# Altium PCB FLoRa0.0.PcbDoc (part 1 of 2) (continued)
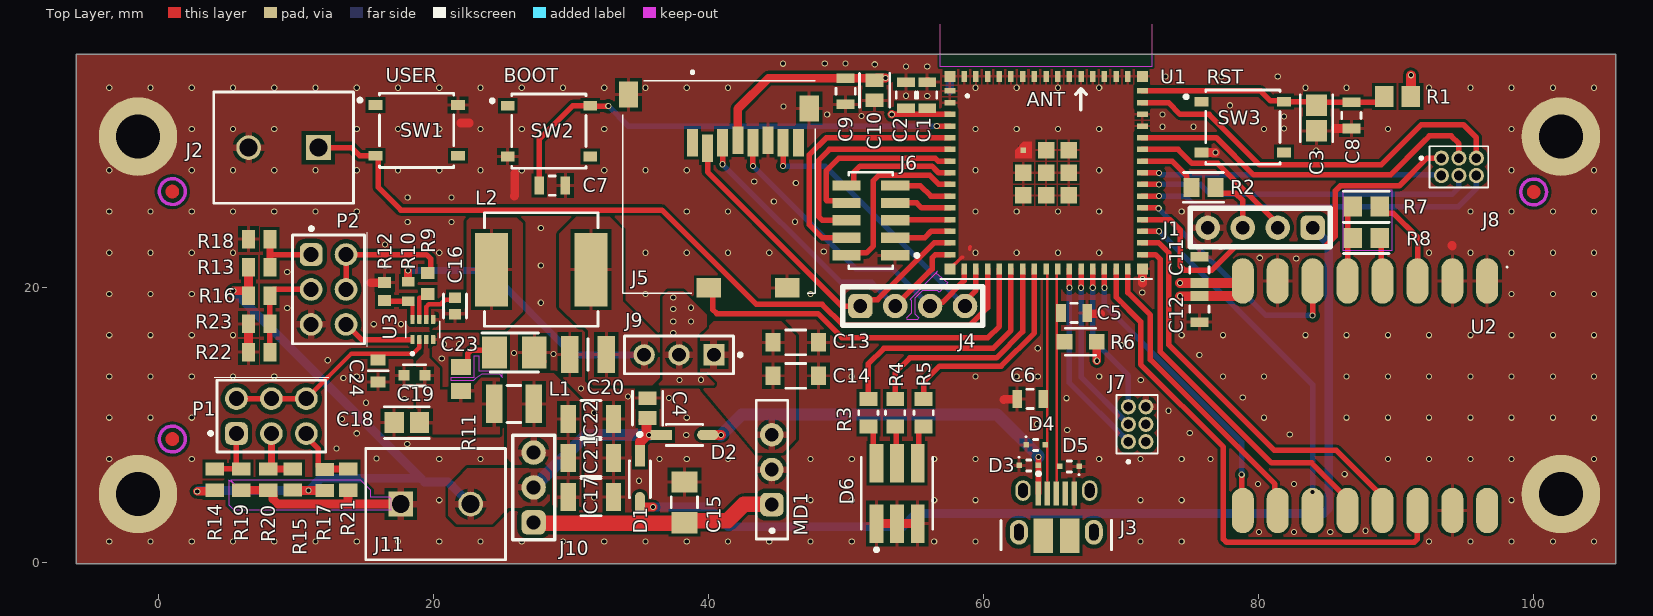
[diagram p0: Top Layer view]
## Footprints (in the part's own frame and the unit in brackets; to place one, negate y for a bottom-side part, rotate by r counter-clockwise, add the part's x,y. Pads: shape width x height; smd on the part's side, far side on the other; paste and mask are expansions set on the pad) (continued)
RESC2013X70X40NL20T20 [mm] "Chip Resistor, 2-Leads, Body 2.00x1.25mm, IPC Medium Density"
  rect 1.15x1.45 smd: 1(-0.875,0) 2(0.875,0)
  body extent -1.1,-0.72 1.1,0.72, height 0.7
SIP3-100mil [mil]
  rrect50% 70x70 hole 39.37: 1(0,0)
  round 70 hole 39.37: 2(0,-100) 3(0,-200)
  silkscreen extent -60,-250 60,50
SIP4-100mil [mil]
  rrect50% 70x70 hole 39.37: 1(0,0)
  round 70 hole 39.37: 2(0,-100) 3(0,-200) 4(0,-300)
  silkscreen extent -55,-350 55,50, body extent -50,-365 50,55, height 335
SOFL50P160X60-8S [mm] "SOFL50P160X60-8N with solder mask silver mods"
  rrect25% 0.66x0.32 smd mask+0: 1(-0.735,0.75) 2(-0.735,0.25) 3(-0.735,-0.25) 4(-0.735,-0.75) 5(0.735,-0.75) 6(0.735,-0.25) 7(0.735,0.25) 8(0.735,0.75)
  silkscreen extent -1.85,-1.23 0.6,1.23
WAVE-20855-Core1262 [mm] "Chip Array, Flat, 16-Leads, Pitch 2.54mm,  Body 22.00x19.00mm,  IPC Medium Density"
  oval 3.3x1.6 smd: 3V3(-8.35,-8.89) ANT(8.35,8.89) BUSY(8.35,-8.89) CLK(8.35,1.27) DIO1(-8.35,-3.81) DIO2(-8.35,-1.27) GND(-8.35,6.35) GND(-8.35,8.89) GND(-8.35,-6.35) GND(8.35,6.35) MISO(8.35,-3.81) MOSI(8.35,-1.27) NSS(8.35,3.81) RESET(8.35,-6.35) RXEN(-8.35,3.81) TXEN(-8.35,1.27)
  silkscreen extent -9.41,10.28 -9.31,10.38, body extent -9.53,-10.97 9.48,11.03, height 2.8
WE-PMCI_1210_L3.2W2.5H1.2 [mm] "Power Molded Chip Inductor, body 3.2x2.5mm"
  rect 1.2x2.8 smd: 1(-1.45,0) 2(1.45,0)
  silkscreen extent -0.5,-1.35 0.5,1.35, body extent -1.6,-1.25 1.6,1.25, height 1.2
WL-SFTW_5050_150505M173300 [mm] "SMT Full-color TOP LED Waterclear, body 5x5mm"
  rect 2.8x1 smd: 1(-2.2,1.5) 2(2.2,1.5) 3(-2.2,0) 4(2.2,0) 5(-2.2,-1.5) 6(2.2,-1.5)
  silkscreen extent -4.22,-2.6 2.6,2.6, body extent -2.7,-2.5 2.7,2.5, height 1.5
XCVR_ESP32-S3-MINI-1-N8 [mm]
  rect 0.8x0.4 smd: 1(-7,5.95) 2(-7,5.1) 3(-7,4.25) 4(-7,3.4) 5(-7,2.55) 6(-7,1.7) 7(-7,0.85) 8(-7,0) 9(-7,-0.85) 10(-7,-1.7) 11(-7,-2.55) 12(-7,-3.4) 13(-7,-4.25) 14(-7,-5.1) 15(-7,-5.95) 31(7,-5.95) 32(7,-5.1) 33(7,-4.25) 34(7,-3.4) 35(7,-2.55) 36(7,-1.7) 37(7,-0.85) 38(7,0) 39(7,0.85) 40(7,1.7) 41(7,2.55) 42(7,3.4) 43(7,4.25) 44(7,5.1) 45(7,5.95)
  rect 0.4x0.8 smd: 16(-5.95,-7) 17(-5.1,-7) 18(-4.25,-7) 19(-3.4,-7) 20(-2.55,-7) 21(-1.7,-7) 22(-0.85,-7) 23(0,-7) 24(0.85,-7) 25(1.7,-7) 26(2.55,-7) 27(3.4,-7) 28(4.25,-7) 29(5.1,-7) 30(5.95,-7) 46(5.95,7) 47(5.1,7) 48(4.25,7) 49(3.4,7) 50(2.55,7) 51(1.7,7) 52(0.85,7) 53(0,7) 54(-0.85,7) 55(-1.7,7) 56(-2.55,7) 57(-3.4,7) 58(-4.25,7) 59(-5.1,7) 60(-5.95,7)
  rect 1.2x1.2 smd: 61(0,0) 61_2(0,1.65) 61_3(1.65,1.65) 61_4(1.65,0) 61_5(1.65,-1.65) 61_6(0,-1.65) 61_7(-1.65,-1.65) 61_8(-1.65,0)
  rect 0.4x0.4 smd paste-1 mask+0: 61_1(-1.65,1.65)
  rect 0.8x0.8 smd: 62(-7,7) 63(-7,-7) 64(7,-7) 65(7,7)
  Top Layer region: -1.05,1.05 -2.25,1.05 -2.25,1.65 -1.65,2.25 -1.05,2.25
  Keep-Out Layer region: 7.7,7.725 -7.7,7.725 -7.7,12.775 7.7,12.775
  Keep-Out Layer region: 7.7,7.725 -7.7,7.725 -7.7,12.775 7.7,12.775
  silkscreen extent -7.7,-7.73 7.7,6.1, body extent -7.7,-7.73 7.7,12.78, height 2.55

## Part data
C1 C5 C6 C7 C8 C9 C12: library part CMP-2007-03364-2, "Ceramic Capacitor for Automotive 100nF ±10% 100VDC X7R 0805 Embossed T/R", Capacitance=100nF, Case Code (Imperial)=0805, Case Code (Metric)=2012, Dielectric=X7R, Max Operating Temperature=125°C, Min Operating Temperature=-55°C, Package Quantity=1, Ratings=AEC-Q200, Tolerance=10%, Voltage=100V, Case/Package=0805, Depth=1.25mm, Height=1.25mm, Lead Free="Lead Free", Length=2mm, Mount="Surface Mount", Packaging="Tape and Reel", Radiation Hardening=No, REACH SVHC="No SVHC", Termination=SMD/SMT, Thickness=0.055inch, Voltage Rating=100V, Voltage Rating (DC)=100V, Width=0.049inch
C2 C11: library part CMP-2007-03385-2, "Chip Multilayer Ceramic Capacitors for General Purpose, 0805, 22uF, X5R, 15%, 20%, 6.3V", Case Code (Imperial)=0805, Case Code (Metric)=2012, Dielectric=X5R, Max Operating Temperature=85°C, Min Operating Temperature=-55°C, Package Quantity=1, Tolerance=20%, Voltage=6.3V, Capacitance=22uF, Case/Package=0805, Depth=1.25mm, Height=1.25mm, Lead Free="Lead Free", Length=2mm, Material=Ceramic, Mount="Surface Mount", Packaging="Tape and Reel", Radiation Hardening=No, REACH SVHC="No SVHC", Termination=SMD/SMT, Thickness=0.053inch, Voltage Rating=6.3V, Voltage Rating (DC)=6.3V, Width=0.049inch
C3: library part CMP-2007-00069-2, "Cap Ceramic Multilayer 1uF 16VDC 10% SMD Paper T/R", Case Code (Imperial)=0805, Case Code (Metric)=2012, Dielectric=X7R, Max Operating Temperature=125°C, Min Operating Temperature=-55°C, Package Quantity=1, Ratings=AEC-Q200, Tolerance=10%, Voltage Rating=16V, Capacitance=1uF, Case/Package=0805, Depth=1.25mm, Features="Soft Termination", Height=0.85mm, Lead Free="Lead Free", Length=2mm, Mount="Surface Mount", Packaging="Tape and Reel", Radiation Hardening=No, Termination=SMD/SMT, Thickness=0.037inch, Voltage Rating (DC)=16V, Width=1.25mm
C4 C10: library part CMP-2007-03541-2, "Chip Multilayer Ceramic Capacitors for General Purpose, 0805, 10uF, X5R, 15%, 10%, 25V", Case Code (Imperial)=0805, Case Code (Metric)=2012, Dielectric=X5R, Max Operating Temperature=85°C, Min Operating Temperature=-55°C, Package Quantity=1, Tolerance=10%, Voltage=25V, Capacitance=10uF, Case/Package=0805, Depth=1.25mm, Height=1.25mm, Lead Free="Lead Free", Length=2mm, Material=Ceramic, Mount="Surface Mount", Packaging="Tape and Reel", Radiation Hardening=No, Termination=SMD/SMT, Thickness=0.053inch, Voltage Rating=25V, Voltage Rating (DC)=25V, Width=0.049inch
C13 C14: library part CMP-2000-05397-3, "Multilayer Ceramic Capacitors 47uF ±20% 25V X5R SMD 1206", Capacitance=47uF, Case Code (Imperial)=1206, Case Code (Metric)=3216, Dielectric=X5R, Dielectric Material=Ceramic, Max Operating Temperature=85°C, Min Operating Temperature=-55°C, Package Quantity=1, Tolerance=20%, Voltage=25V, Case/Package=1206, Depth=1.6mm, Height=1.6mm, Lead Free="Lead Free", Length=0.126inch, Mount="Surface Mount", Packaging="Tape and Reel", REACH SVHC="No SVHC", Resistor Type=Ceramic, RoHS Compliant=Yes, Series=C, Termination=SMD/SMT, Thickness=0.071inch, Voltage Rating=25V, Voltage Rating (DC)=25V, Weight=0.000571oz, Width=0.063inch
C15: library part CMP-06035-000076-2, "Multi-Layer Ceramic Capacitor 10uF 50V X5R ±10% 1206 Emboss T/R", Capacitance=10uF, Case Code (Imperial)=1206, Case Code (Metric)=3216, Dielectric=X5R, Max Operating Temperature=85°C, Min Operating Temperature=-55°C, Ratings=AEC-Q200, Tolerance=10%, Voltage Rating=50V, Case/Package=1206, Length=0.126inch, Mount="Surface Mount", Packaging="Cut Tape", Thickness=0.071inch, Voltage Rating (DC)=50V, Width=0.063inch
C16: library part CMP-2006-03071-2, "CAP CER 0.1UF 16V Y5V 0603", Capacitance=100nF, Case Code (Imperial)=0603, Case Code (Metric)=1608, Dielectric=Y5V, Dielectric Material=Ceramic, Max Operating Temperature=85°C, Min Operating Temperature=-30°C, Package Quantity=4000, Tolerance=80%, Voltage Rating=16V, Case/Package=0603, Construction=Flat, Depth=0.8mm, Height=0.8mm, Lead Free="Lead Free", Lead Pitch=0.7mm, Length=1.6mm, Mount="Surface Mount", Number of Pins=2, Packaging="Tape and Reel", Radiation Hardening=No, REACH SVHC="No SVHC", RoHS Compliant=Yes, Series=C, Termination=SMD/SMT, Thickness=0.034inch, Voltage Rating (DC)=16V, Width=0.031inch
C17 C21 C22: library part CMP-2000-05458-2, "CAP CER 22UF 25V X5R 1210", Manufacturer="Murata Electronics North America", Manufacturer Part Number=GRM32ER61E226KE15L, Operating Temperature="-55°C ~ 85°C", Package=GRM32, Package / Case="1210 (3225 Metric)", Standard Package=1,000, Temperature="-55°C to +85°C", Temperature Characteristic=X5R, Temperature Range High=+85°C, Temperature Range Low=-55°C, Tolerance=10%, Voltage - Rated=25V, Applications="General Purpose", Automotive=No, Capacitance=22uF, Category=Cap, ComponentLink2Description=Datasheet, ComponentLink2URL=https://search.murata.co.jp/Ceramy/image/img/A01X/G101/ENG/GRM32ER61E226KE15-01A.pdf, Device Class L1="Passive Components", Device Class L2=Capacitors, Device Class L3="Ceramic Capacitors", Digikey Description="CAP CER 22UF 25V X5R 1210", Height=2.7mm, Lead Free=Yes, Material=Ceramic, Mounting Type="Surface Mount, MLCC", Mouser Description="Multilayer Ceramic Capacitors MLCC - SMD/SMT 1210 22uF 25volts X5R 10%", Octopart=https://octopart.com/grm32er61e226ke15l-murata-197441, Other Names=490-3889-2, Packaging="Cut Tape (CT)", Possible Substitute=GRM32ER61E226KE15K, RoHS=TRUE, Size / Dimension="0.126\" L x 0.098\" W (3.20mm x 2.50mm)", Temperature Coefficient=X5R, Thickness (Max)="0.106\" (2.70mm)", Voltage Rating=25V
C18: library part CMP-06035-013048-1, "Chip Multilayer Ceramic Capacitors for General Purpose, 0805, 10uF, X5R, 15%, 20%, 25V", Case Code (Imperial)=0805, Case Code (Metric)=2012, Dielectric=X5R, Max Operating Temperature=85°C, Min Operating Temperature=-55°C, Package Quantity=3000, Resistor Type=Ceramic, Tolerance=20%, Voltage Rating=25V, Capacitance=10uF, Case/Package=0805, Depth=1.25mm, Height=1.25mm, Lead Free="Lead Free", Length=2mm, Mount="Surface Mount", Packaging="Tape and Reel", REACH SVHC="No SVHC", Termination=SMD/SMT, Thickness=0.055inch, Voltage Rating (DC)=25V, Weight=0.000335oz, Width=0.049inch
C19: library part CMP-2006-04157-2, "General Purpose Ceramic Capacitor, 0603, 100nF, 10%, X7R, 15%, 25V", Case Code (Imperial)=0603, Case Code (Metric)=1608, Dielectric=X7R, Max Operating Temperature=125°C, Min Operating Temperature=-55°C, Package Quantity=4000, Tolerance=10%, Voltage=25V, Capacitance=100nF, Case/Package=0603, Construction=Flat, Contact Plating=Tin, Depth=0.81mm, Height=0.9mm, Lead Free="Lead Free", Length=1.6mm, Mount="Surface Mount", Number of Pins=2, Packaging="Tape and Reel", Radiation Hardening=No, REACH SVHC="No SVHC", RoHS Compliant=Yes, Series=-, Termination=SMD/SMT, Thickness=0.035inch, Voltage Rating=25V, Voltage Rating (DC)=25V, Width=0.032inch
C20: library part GRM32EC80J107ME20L, "Cout - Murata 1210 GRM 100uF Ceramic Multilayer Capacitor, 6.3 V dc, +105C, X6S Dielectric, +/-20% SMD", Manufacturer_Name="Murata Electronics", Mouser Part Number=81-GRM32EC80J107ME0L, Datasheet Link=http://psearch.en.murata.com/capacitor/product/GRM32ER71E226KE15%23.pdf, Geometry.Height=2.7mm, Manufacturer_Part_Number=GRM32EC80J107ME20L, Mouser Price/Stock=https://www.mouser.co.uk/ProductDetail/Murata-Electronics/GRM32EC80J107ME20L?qs=eCxWOFGThBZyUCwIudAIww%3D%3D
C23: library part TPSB475K035R0700, "Cap Tant Solid 4.7uF 35V B CASE 10% (3.5 X 2.8 X 1.9mm) Inward L SMD 3528-21 0.7 Ohm 125C T/R", Manufacturer_Name="Kyocera AVX", Mouser Part Number=581-TPSB475K035R0700, Datasheet Link=http://datasheets.avx.com/TPS.pdf, Geometry.Height=1.2mm, Manufacturer_Part_Number=TPSB475K035R0700, Mouser Price/Stock=https://www.mouser.co.uk/ProductDetail/AVX/TPSB475K035R0700?qs=vV7MX5mTKGOnhbxp1nxMNw%3D%3D
C24: library part CMP-05434-000008-1, "CAP FILM 820PF 5% 50VDC 0805", Capacitance=820pF, Case Code (Imperial)=0805, Case Code (Metric)=2012, Dielectric=PPS, Dielectric Material=Polyphenylene, Max Operating Temperature=125°C, Min Operating Temperature=-55°C, Package Quantity=3000, Tolerance=5%, Voltage=50V, Case/Package=0805, Construction=Flat, Contact Plating=Copper, Depth=1.25mm, Height=0.9mm, Height - Seated (Max)=0.043inch, Length=2mm, Life (Hours)=500Hour, Mount="Surface Mount", Packaging="Tape and Reel", Radiation Hardening=No, REACH SVHC="No SVHC", RoHS Compliant=Yes, Series=ECHU(X), Termination=SMD/SMT, Voltage Rating=50V, Voltage Rating (DC)=50V, Width=1.25mm
D1 D2: library part CMP-0303-00003-3, "DIODE SCHOTTKY 40V 1A SOD123", Average Rectified Current=1A, Capacitance=110pF, Case/Package=SOD-123-2, Forward Voltage=450mV, Max Forward Surge Current (Ifsm)=25A, Max Operating Temperature=125°C, Max Power Dissipation=450mW, Max Repetitive Reverse Voltage (Vrrm)=40V, Min Operating Temperature=-65°C, Package Quantity=3000, Peak Reverse Current=50uA, Contact Plating=Tin, Current Rating=1A, Element Configuration=Single, Forward Current=1A, Height=1.25mm, Lead Free="Lead Free", Length=2.85mm, Max Reverse Voltage (DC)=40V, Number of Pins=2, Output Current=1A, Packaging="Tape and Reel", Peak Non-Repetitive Surge Current=25A, Polarity=Standard, Radiation Hardening=No, REACH SVHC="No SVHC", Termination=SMD/SMT, Voltage Rating (DC)=40V, Weight=0.000353oz, Width=1.7mm
D3 D4 D5: library part CMP-1063-00096-1, "Transient Voltage Suppressor, Micro-Packaged Diode for ESD Protection, 2-Pin SOD-523, Pb-Free, Tape and Reel", Manufacturer="On Semiconductor", ComponentLink1Description="Manufacturer URL", ComponentLink1URL=http://www.onsemi.com/, ComponentLink2Description=Datasheet, ComponentLink2URL=http://www.onsemi.cn/pub_link/Collateral/ESD5B5.0ST1G.PDF, ComponentLink3Description="Package Specification", ComponentLink3URL=http://www.onsemi.cn/pub_link/Collateral/ESD5B5.0ST1G.PDF, DatasheetVersion="Rev. 3", Direction=Bidirectional, IR Max (uA)=1, Mounting Technology="Surface Mount", Number of Lines=1, PackageDescription="2-Pin SOD, Body 1.2 x 0.8 mm", PackageReference=SOD-523-2-502-01_C, PackageVersion="Rev. C, 03/2007", Packing="Tape and Reel", PartNumber=ESD5B5.0ST1G, RoHS=Pb-Free, V(BR) Min (V)=5.8, VRWM Max (V)=5
D6: library part 150505M173300, "WL-SFTW Full-color TOP LED Waterclear, size 5050, Red & Green & Blue, 120°", Case/Size Code=5050, Emitting Color="Red & Green & Blue", Forward Voltage (Blue)=3.2V, Forward Voltage (Red)=2V, Manufacturer="Wurth Elektronik", Operating Temperature Max=85°C, Operating Temperature Min=-40°C, Category="Signal LEDs", Chip Technology="AlInGaP + InGaN", ComponentLink1Description="Website Link", ComponentLink1URL=https://www.we-online.com/redexpert/article/150505M173300?ad, ComponentLink2Description="Datasheet Link", ComponentLink2URL=https://www.we-online.com/redexpert/spec/150505M173300?ad, Dominant Wavelength (Blue)=470nm, Dominant Wavelength (Green)=520nm, Dominant Wavelength (Red)=625nm, Forward Voltage (Green)=3.2V, Height=1.5mm, Length=5.4mm, Luminous Intensity (Blue)=350mcd, Luminous Intensity (Green)=1300mcd, Luminous Intensity (Red)=800mcd, Manufacturer Part Number=150505M173300, Match Code=WL-SFTW, Mount="Surface Mount", Packaging="Tape and Reel", Peak Wavelength (Blue)=465nm, Peak Wavelength (Green)=515nm, Peak Wavelength (Red)=635nm, Viewing Angle=120°, Width=5mm
J1 J4: library part 4POS_FEMALECONN_2.54mm, "Board Connector, 4 Contact(s), 1 Row(s), Female, Straight, 0.1 inch Pitch, Solder Terminal, Locking", Manufacturer=Sullins, Supplier Part Number 1=S7002-ND, Component Type=Connectors, Connector Type="BOARD CONNECTOR", Manufacturer Part Number=PPTC041LFBN-RC, Mounting Technology=Board, RoHS Compliant=Yes, Supplier 1=Digikey
J2 J11: library part CMP-2000-05815-1, "PCB Terminal Block, 13.5 A, 400 V, 2-Pin THD, RoHS, Bulk", Current Rating=13500mA, Manufacturer="Phoenix Contact", Package Description="2-Pin Through Hole Device, Body 8.1 x 10.16 mm, Pitch 5.08 mm", Package Reference=1729128-2, Package Version=03/2015, Voltage Rating=400V, Datasheet URL=https://datasheet.ciiva.com/16046/1729128-16046181.pdf, Datasheet Version=12/2013, Manufacturer URL=http://www.phoenixcontact.com/, Mounting Technology=ThroughHole, No. of Positions=2, No. of Rows=1, Orientation=Horizontal, Package URL=https://www.phoenixcontact.com/online/portal/pi/pxc/product_detail_page/!ut/p/b1/3VdJjqNKFDxLH8AFycySyWY2ozFsEPOMMQaDOX1XedGL_1Vdm5YXJleknhSKeBkvI6EA8ncAo3AYoDhBQGco6KN7VURTdemj9us_IEKEZo_YHiPAEWEFmDGOHMORkqKYCORBZxgL7ZoaZYcbFFUZ3fqxSY6GOuxydWUuHqz1ynmMFygu583Bob0Ewr6Sd_l-5m-kAueHiB0jpRwZwe58wwtkpxtMYd_LmGcDRU02dRNEyWt6Y2ti5pSyJ_reIkzIulrqApdnbT11V5jnCKbYNCvhEM1MCpPByat_X379-iThf08CI5GfOPqfBeS3BRoBOdD55AKVv0iLwCMq-2BrzXWSGRH7pUGD9uwXQjiph3xL0DKQwdGa0JImiIOmBNOestqgwTHSSs2oOep-78apyXQBvNi8ZLaFjvjWvcaUEBu0MC6Wbe-d6mB0FAebo2lUWinqYaZs5DAYzV0RP9yitUjnGJ0iI9xhZkT42OCQNUJJhkgWINNQLP2JFP6OpMg3JCVg70jqHT0lvKOnhHf0lPuOnnLf0VPuWx6_dxwUIvwk5WMkT0kLL1mh61l2yZVSzG3pYV_bqo-mj6uMKwKwdnnW8Jh5RTOJzMOA5c-eJDaZQw4mTMPH02PvS_ZAqNVjVTo2WyYLkwH_KU1mmmG5kjRhDqPXLwwVHvVOjCM60-fpXvTDfMGW1PVFVS1r4e4yVDk4ZdNbkUHvqPqQSeian4UD39fNKmachqdJ1NJbyk8rXT9mXTvPk3oE5meulKGgiruPJek-4I9hTT6G8ZLOyRSm2RRVbThERQad5OS28hdt4YW4vG0stgYYzsWsK4_7y6DZMjJSCqri1kyiZR5vD7pwIrNR7QwPHTcLTI5qT7eRlpHrdGiupYlqQDJ7zy_CND8fWWBoLRXxk1RVcXiBQwbTD4Xi7KL-FuO94t9xaqweXzH, Packing=Bulk, PartNumber=1729128, Pitch=5.08mm, RoHS=TRUE
J3: library part MICRO_USB2.0, "Micro USB 2.0 B Receptacle, 5 Position, Height 3.24 mm, -55 to 85 degC, RoHS, Tape and Reel", Case/Package=FCI-10103594-0001LF, Current Rating=1.8A, Manufacturer="Amphenol ICC / FCI", Max Operating Temperature=85°C, Min Operating Temperature=-55°C, Package Description="5-Pin Surface Mount Device, Body 8.04 x 5.62 mm", Package Quantity=1500, Voltage Rating=100V, Component Type=Connectors, Connector Type=USB, Contact Material=Copper, Contact Plating=Gold, Datasheet URL=http://portal.fciconnect.com/Comergent//fci/drawing/10103594.pdf, Datasheet Version="Rev. A, 06/2010", Gender=Female, Lead Pitch=0.65mm, Manufacturer Part Number=10103594-0001LF, Manufacturer URL=http://portal.fciconnect.com/, Mounting Technology=SM, Package Reference=FCI-10103594-0001LF, Packaging=TapeandReel, Pins=5, RoHS Compliant=True
J5: library part CMP-002-00108-2, "MEM2061 Series 8 Position 1.1 mm Pitch Push-Push MicroSD SMT Memory Card Connector", Manufacturer_Name="GCT (GLOBAL CONNECTOR TECHNOLOGY)", Mouser Part Number=640-MEM20610118800A, Datasheet Link=https://gct.co/files/drawings/mem2061.pdf?v=db251ddb-1946-4f24-aa19-b8a17901bdd2, Design Item ID=MEM2061-01-188-00-A, Geometry.Height=2.13mm, Manufacturer_Part_Number=MEM2061-01-188-00-A, Mouser Price/Stock=https://www.mouser.co.uk/ProductDetail/GCT/MEM2061-01-188-00-A?qs=KUoIvG%2F9IlYc25USp0M1eQ%3D%3D, Source=MEM2061-01-188-00-A.SchLib
J6: library part CMP-002-00151-1, "PCB Receptacle, Vertical, Board-to-Board, 1.27 mm, 2 Rows, 10 Contacts, Surface Mount"
J7 J8: library part AMPHENOL_2x3_FEMALE_1.27, "Amphenol Female board to board connector, 2x3 1.27mm pitch, TH mounted", Case/Package=None, Manufacturer="Amphenol ICC / FCI", Supplier Part Number=82R8642, Supplier Part Number 1=609-3752-ND, Availability=Unavailable, Category=Connectors, Component Type=Connectors, ComponentLink1Description=https://media.digikey.com/pdf/Data%20Sheets/FCI%20PDFs/Minitek%20127_Catalog.pdf?src-supplier=Digikey, ComponentLink1URL=https://media.digikey.com/pdf/Data%20Sheets/FCI%20PDFs/Minitek%20127_Catalog.pdf?src-supplier=Digikey, ComponentLink2Description=http://portal.fciconnect.com/Comergent/fci/drawing/20021311.pdf?src-supplier=Avnet, ComponentLink2URL=http://portal.fciconnect.com/Comergent/fci/drawing/20021311.pdf?src-supplier=Avnet, ComponentLink3Description="https://www.distrelec.biz/Web/Downloads/_1/27/fci flyer minitek 127.pdf?mime=application%2Fpdf&src-supplier=Distrelec", ComponentLink3URL="https://www.distrelec.biz/Web/Downloads/_1/27/fci flyer minitek 127.pdf?mime=application%2Fpdf&src-supplier=Distrelec", ComponentLink4Description=https://datasheet.octopart.com/20021311-00006T4LF-Amphenol-Communications-Solutions-datasheet-98396828.pdf?src-supplier=Element14, ComponentLink4URL=https://datasheet.octopart.com/20021311-00006T4LF-Amphenol-Communications-Solutions-datasheet-98396828.pdf?src-supplier=Element14, ComponentLink5Description=http://portal.fciconnect.com/Comergent//fci/drawing/20021311.pdf?src-supplier=Mouser, ComponentLink5URL=http://portal.fciconnect.com/Comergent//fci/drawing/20021311.pdf?src-supplier=Mouser, ComponentLink6Description=http://components.arrow.com/part/dataview/48961538S8522633N8314?src-supplier=Arrow+Electronics, ComponentLink6URL=http://components.arrow.com/part/dataview/48961538S8522633N8314?src-supplier=Arrow+Electronics, ComponentLink7Description=https://datasheet.octopart.com/20021311-00006T4LF-Amphenol-Communications-Solutions-datasheet-62305864.pdf?src-supplier=Electro+Sonic, ComponentLink7URL=https://datasheet.octopart.com/20021311-00006T4LF-Amphenol-Communications-Solutions-datasheet-62305864.pdf?src-supplier=Electro+Sonic, Design Item ID=20021311-00006T4LF, Manufacturer Part Number=20021311-00006T4LF, MF="{'manufacturer': u'Amphenol ICC (FCI)'}", MP=20021311-00006T4LF, Pins=6, Price=None, RoHS=No, Source=20021311-00006T4LF.SchLib, Stock=857, Supplier=Avnet, Supplier 1=Digikey
J9: library part CMP-00595-22265080-1, "PREC003SAAN-RC Conn Header Vert 3POS 2.54MM", Color=Black, Current Rating=3A, Max Operating Temperature=105°C, Min Operating Temperature=-40°C, Connector Type="Male Pin", Contact Material="Nickel, Tin", Contact Mating Length=5.842mm, Contact Plating=Tin, Height=8.74mm, Mount="Through Hole", NexarPartId=22265080, Number of Contacts=3, Number of Positions=3, Number of Rows=1, Packaging=Bulk, Pitch=2.54mm, RoHS=Compliant, Termination=Solder
J10: "Vertical male 3 position connector 2.54mm pitch", Color=Black, Current Rating=3A, Max Operating Temperature=105°C, Min Operating Temperature=-40°C, Supplier Part Number 1=S1012EC-03-ND, Connector Type="Male Pin", Contact Material="Nickel, Tin", Contact Mating Length=5.842mm, Contact Plating=Tin, Height=8.74mm, Mount="Through Hole", NexarPartId=22265080, Number of Contacts=3, Number of Positions=3, Number of Rows=1, Packaging=Bulk, Pitch=2.54mm, RoHS=Compliant, Supplier 1=Digikey, Termination=Solder
L1: library part CMP-03913-71101468-1, "74479299222 General Purpose Inductor, 2.2uH, 15%, 1 Element, Iron Alloy-Core, SMD, 1210", Ambient Temperature Range High=85°C, Ambient Temperature Range Low=-40°C, Case Code (Imperial)=1210, Case Code (Metric)=3225, Current Rating=2.1A, DC Resistance (DCR)=70mΩ, Inductance=2.2µH, Inductance Tolerance=20%, Max Operating Temperature=125°C, Saturation Current=3.5A, Self Resonant Frequency=25MHz, Test Frequency=1MHz, Case/Package=1210, Height=1.2mm, Height - Seated (Max)=1.1938mm, Length=3.2mm, Min Operating Temperature=-40°C, Mount="Surface Mount", NexarPartId=71101468, Number of Pins=2, REACH SVHC=Unknown, RoHS=Compliant, Shielding=Shielded, Tolerance=20%, Width=2.5mm
L2: library part CMP-02424-000021-1, "Commercial Inductors, Low DCR Series 4.7uH 8A 22.6mΩ 20%", Case/Package=3232, Current Rating=8A, DC Resistance (DCR)=22.6mR, Inductance Tolerance=20%, Max Operating Temperature=125°C, Min Operating Temperature=-55°C, Package Quantity=500, Saturation Current=8.7A, Self Resonant Frequency=17MHz, Test Frequency=100kHz, Contact Plating=Tin, Core Material=Ferrite, Depth=8.26mm, Height=4mm, Height - Seated (Max)=0.157inch, Inductance=4.7uH, Lead Free="Lead Free", Length=8.89mm, Max DC Current=8A, Military Standard=Not, Mount="Surface Mount", Number of Pins=2, Packaging="Tape and Reel", Radiation Hardening=No, RMS Current (Irms)=8A, Shielding=Shielded, Termination=SMD/SMT, Tolerance=20%, Width=8.18mm
MD1: library part TPS_EVAL_BOARD, "Switching Regulator, Current-mode, 1.5A, 510kHz Switching Freq-Max, Hybrid", Manufacturer="Texas Instruments", Component Type="Power Supply", Manufacturer Part Number=TPSM84203EAB, RoHS Compliant=Yes
P1 P2: library part CMP-002-00112-1, "Board Connector, 6 Contact(s), 2 Row(s), Male, Straight, 0.1 inch Pitch, Solder Terminal, Black Insulator, Plug", Max Operating Temperature=125°C, Min Operating Temperature=-40°C, Connector Type="BOARD CONNECTOR", Mounting Technology=Board, RoHS Compliant=Yes
R1: library part CMP-2001-04376-1, Manufacturer=Panasonic, Part Number=ERJ-6ENF1002V
R2: library part CMP-2001-00211-2, "RES SMD 499 OHM 1% 1/8W 0805", Case Code (Imperial)=0805, Case Code (Metric)=2012, Max Operating Temperature=155°C, Max Power Dissipation=125mW, Min Operating Temperature=-55°C, Package Quantity=1, Resistance Tolerance=1%, Resistor Type="Thick Film", Temperature Coefficient=100ppm/°C, Voltage Rating=150V, Case/Package=0805, Construction=Rectangular, Contact Plating=Tin, Depth=1.25mm, Features="Automotive AEC-Q200", Height=0.6mm, Lead Free="Lead Free", Length=2mm, Military Standard=Not, Mount="Surface Mount", Number of Terminations=2, Packaging="Tape and Reel", Power Rating=125mW, Radiation Hardening=No, REACH SVHC="No SVHC", Resistance=499R, RoHS Compliant=Yes, Series=ERJ, Technology="THICK FILM", Termination=SMD/SMT, Tolerance=1%, Voltage Rating (DC)=150V, Width=0.049inch, Working Voltage=150V
R3 R4 R5: library part CMP-26527-000164-1, "100Ω ±1% 0.25W 0805 High Power Anti-Sulfur Thin Film Chip Resistor", Case Code (Imperial)=0805, Case Code (Metric)=2012, Max Operating Temperature=155°C, Max Power Dissipation=250mW, Min Operating Temperature=-55°C, Resistor Type="Thin Film", Temperature Coefficient=100ppm/°C, Tolerance=1%, Case/Package=0805, Features="Moisture Resistant", Height=0.024inch, Lead Free="Lead Free", Length=0.079inch, Mount="Surface Mount", Number of Terminations=2, Packaging="Tape and Reel", Resistance=100R, RoHS Compliant=Yes, Series=RNCP, Width=0.049inch
R6: library part CMP-2001-04438-5, "RES SMD 1.5K OHM 1% 1/8W 0805", Case Code (Imperial)=0805, Case Code (Metric)=2012, Max Operating Temperature=155°C, Max Power Dissipation=125mW, Min Operating Temperature=-55°C, Package Quantity=1, Resistance=1.5kR, Resistance Tolerance=1%, Resistor Type="Thick Film", Temperature Coefficient=100ppm/°C, Voltage Rating=150V, Case/Package=0805, Construction=Rectangular, Contact Plating=Tin, Depth=1.25mm, Features="Automotive AEC-Q200", Height=0.6mm, Lead Free="Lead Free", Length=2mm, Military Standard=Not, Mount="Surface Mount", Number of Pins=2, Number of Terminations=2, Packaging="Tape and Reel", Power Rating=125mW, Radiation Hardening=No, Reach SVHC Compliant=Yes, RoHS Compliant=Yes, Series=ERJ, Size Code=0805, Technology="THICK FILM", Termination=SMD/SMT, Tolerance=1%, Voltage Rating (DC)=150V, Width=1.2mm
R7 R8: library part CMP-26527-001731-1, "100Ω ±1% 0.125W 0805 Thick Film Chip Resistor AEC-Q200 compliant", Case Code (Imperial)=0805, Case Code (Metric)=2012, Max Operating Temperature=155°C, Max Power Dissipation=125mW, Min Operating Temperature=-55°C, Power Rating=250mW, Resistance=100R, Resistor Type="Thick Film", Temperature Coefficient=100ppm/°C, Tolerance=1%, Case/Package=0805, Construction=Rectangular, Contact Plating=Tin, Depth=1.25mm, Features="Automotive AEC-Q200", Height=0.026inch, Lead Free="Lead Free", Length=2mm, Military Standard=Not, Mount="Surface Mount", Number of Terminations=2, Packaging="Tape and Reel", Radiation Hardening=No, RoHS Compliant=Yes, Series=RMCF, Size Code=0805, Width=0.049inch
R9: library part CRCW0603100KFKEA, "Resistor, Thick Film, 100 Kilohms, 0.1W, 1%, SMT, TCR 37 ppm/DegC, Tape and Reel", Package="1508 Vishay", Check_prices=https://www.snapeda.com/parts/CRCW0603100KFKEA/Vishay+Dale/view-part/?ref=eda, MF=Vishay, MP=CRCW0603100KFKEA, SnapEDA_Link=https://www.snapeda.com/parts/CRCW0603100KFKEA/Vishay+Dale/view-part/?ref=snap
R10: library part CMP-2000-04004-1, "Rfbt", Manufacturer=Yageo, Part Number=RC0603FR-0730K9L
R11: library part CMP-2001-00470-1, Manufacturer=Panasonic, Part Number=ERJ-6RQFR47V
R12: library part CMP-1666-00005-4, "Rfbb- Chip Resistor, 10 KOhm, +/- 1%, 100 mW, -55 to 155 degC, 0603 (1608 Metric), RoHS, Tape and Reel", Manufacturer="Vishay Semiconductor", Max Operating Temperature="155 degC", Min Operating Temperature="-55 degC", Package Quantity=5000, Voltage Rating="75 V", ComponentLink1Description="Manufacturer URL", ComponentLink1URL=http://www.vishay.com/, ComponentLink2Description=Datasheet, ComponentLink2URL=https://datasheet.ciiva.com/11809/0900766b80d98afc-11809037.pdf, DatasheetVersion=06/2012, Height="0.45 mm", Length="1.55 mm", Mounting Technology="Surface Mount", PackageDescription="2-Pin Surface Mount Device, Body 1.575 x 0.85 mm", PackageReference=0603, Packaging="Tape and Reel", REACH SVHC=Unknown, RoHSCompliant=true
R13 R14 R18: library part CMP-2001-00528-1, Manufacturer=Panasonic, Part Number=ERJ6ENF2703V
R15 R16 R22 R23: library part CMP-2001-04390-1, Manufacturer=Panasonic, Part Number=ERJ-6ENF1073V
R17: library part CMP-2001-00170-1, Manufacturer=Panasonic, Part Number=ERJ-6ENF4023V
R19: library part CMP-2001-00247-1, Manufacturer=Panasonic, Part Number=ERJ-6ENF5902V
R20: library part CMP-2001-04399-1, Manufacturer=Panasonic, Part Number=ERJ-6ENF1182V
R21: library part CMP-2001-00169-1, Manufacturer=Panasonic, Part Number=ERJ-6ENF4022V
SW1 SW2 SW3: library part CMP-10040-000013-1, "TACT 5.2 X 5.2, 1.5 MM H, 260GF,", Contact Current Rating=50mA, Contact Resistance=100mΩ, Manufacturer=C&K, Operating Force=250gf, Temperature="-20°C to +70°C", Temperature Range High=+70°C, Temperature Range Low=-20°C, Voltage Rating Dc=12V, Automotive=No, Category=Switch, ComponentLink2Description=Datasheet, ComponentLink2URL=https://www.ckswitches.com/media/2780/pts526.pdf, Device Class L1=Electromechanical, Device Class L2=Switches, Device Class L3="Tactile Switches", Digikey Description="TACT 5.2 X 5.2, 1.5 MM H, 260GF,", Electromechanical Life=200000Cycles, Height=1.65mm, Lead Free=Yes, Manufacturer Part Number=PTS526SK15SMTR2LFS, Octopart=https://octopart.com/pts526+sk15+smtr2+lfs-c%26k+components-100617999, Package=PTS526SK15SMTR2LFS, RoHS=TRUE, Standoff Height=0mm, Throw Configuration=SPST-NO
U1: "SMD module, ESP32-S3FN8, 8 MB SPI flash, PCB antenna", Manufacturer="Espressif Systems", Package=None, Supplier Part Number=356-ESP32-S3-MINI1N8, Availability="In Stock", Category=LDO, Check_prices=https://www.snapeda.com/parts/ESP32-S3-MINI-1-N8/Espressif+Systems/view-part/?ref=eda, ComponentLink1Description=https://datasheet.octopart.com/ESP32-S3-MINI-1-N8-Espressif-Systems-datasheet-165560562.pdf?src-supplier=TME, ComponentLink1URL=https://datasheet.octopart.com/ESP32-S3-MINI-1-N8-Espressif-Systems-datasheet-165560562.pdf?src-supplier=TME, Manufacturer Part Number=ESP32-S3-MINI-1-N8, MF="Espressif Systems", MP=ESP32-S3-MINI-1-N8, Price=None, Purchase-URL=https://pricing.snapeda.com/search?q=ESP32-S3-MINI-1-N8&ref=eda, RoHS=No, SnapEDA_Link=https://www.snapeda.com/parts/ESP32-S3-MINI-1-N8/Espressif+Systems/view-part/?ref=snap, Stock=3688, Supplier=Mouser, Supplier 1=Mouser, Supplier Part Number 1=356-ESP32-S3-MINI1N8
U2: "LoRa HF module"
U3: Package=None, Availability=Unavailable, MP=TPS62933PDRLR, Price=None

## Free pads (board coordinates)
  round 5.7 hole 3.2: MH1(-1.5,31) MH2(-1.5,5) MH3(102,5) MH4(102,31)

## Via types
v1: diameter 0.45, hole 0.3, Top Layer to Bottom Layer, tented both sides, 330 vias